# Altium PCB SEG_pressure gauge_don  V2.4.PcbDoc (part 3 of 4)
Units mil, origin at the board's own origin, x right, y up, seen from the top; angles counter-clockwise.
Board outline 2671.27 x 2667.03 mil, 2 copper layers (Top Layer, Bottom Layer); 42 components, 48 nets, 145 pads, 29 vias.
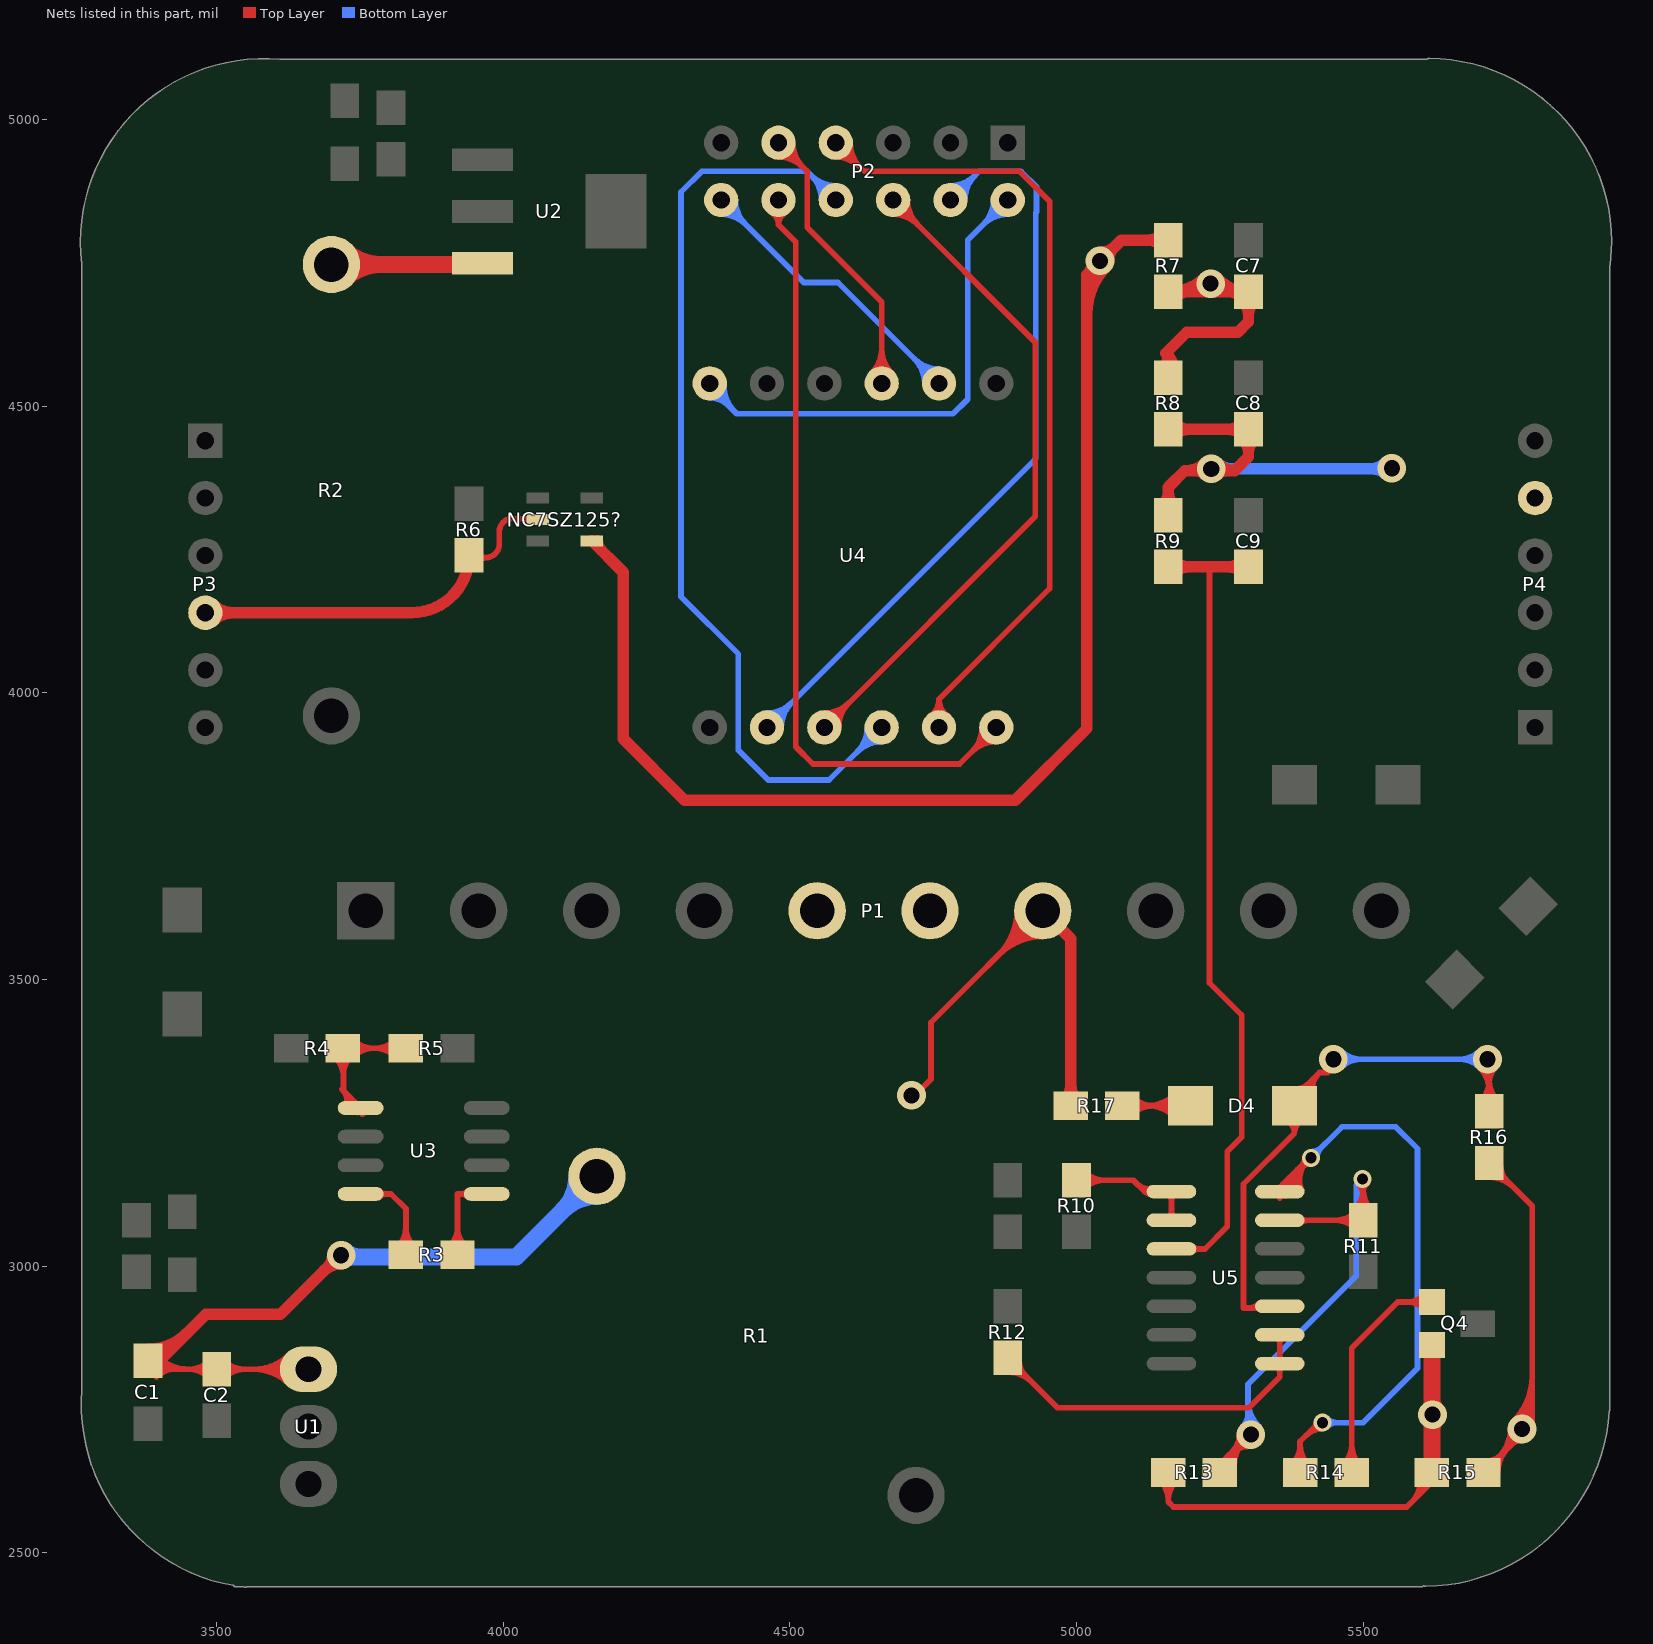
[diagram p3: the nets of this part, all layers, seen from the top]

## Via types
v1: diameter 50, hole 28, Top Layer to Bottom Layer, 21 vias
v2: diameter 31.5, hole 19.68, Top Layer to Bottom Layer, 4 vias
v3: diameter 50, hole 25, Top Layer to Bottom Layer, 2 vias
v4: diameter 31.5, hole 19.68, Top Layer to Bottom Layer, tented top, 2 vias

## Nets (pads, with @x,y where several pads share a name; then routed paths per layer and width w, separated by ;. In a path a pad name is that pad's centre, name@x,y a point inside that pad or via, vN(x,y) a via of type N, cw(c..) or ccw(c..) an arc to the next point about the centre after c; other vN are vias at no path point) (continued)
NetC1_1: C1.1 C2.1 R1.2 U1.1 | length 5400.2
  Top Layer w8: C1.1@3383.54,2833.54 ccw(c3416.21,2866.21) 3416.21,2820 ; C1.1@3383.54,2833.54 ccw(c3416.21,2866.21) 3416.21,2820 ; C1.1@3383.54,2833.54 ccw(c3416.21,2866.21) 3416.21,2820 ; C1.1@3389.19,2839.19 ccw(c3435.53,2885.53) 3435.53,2820 ; C1.1@3389.19,2839.19 ccw(c3435.53,2885.53) 3435.53,2820 ; C1.1@3389.19,2839.19 ccw(c3435.53,2885.53) 3435.53,2820 ; C1.1@3394.85,2815.15 cw(c3406.56,2803.44) 3406.56,2820 ; C1.1@3394.85,2815.15 cw(c3406.56,2803.44) 3406.56,2820 ; C1.1@3394.85,2815.15 cw(c3406.56,2803.44) 3406.56,2820 ; C1.1@3394.85,2844.85 ccw(c3454.84,2904.84) 3454.84,2820 ; C1.1@3394.85,2844.85 ccw(c3454.84,2904.84) 3454.84,2820 ; C1.1@3394.85,2844.85 ccw(c3454.84,2904.84) 3454.84,2820 ; 3411.38,2820 cw(c3411.38,2851.38) 3389.19,2829.19 ccw(c3411.38,2851.38) 3411.38,2820 ; 3411.38,2820 ccw(c3411.38,2788.62) 3389.19,2810.81 cw(c3411.38,2788.62) 3411.38,2820 ; 3430.7,2820 cw(c3430.7,2870.7) 3394.85,2834.85 ccw(c3430.7,2870.7) 3430.7,2820 ; 3430.7,2820 ccw(c3430.7,2769.3) 3394.85,2805.15 cw(c3430.7,2769.3) 3430.7,2820 ; 3449.3,2820 cw(c3449.3,2769.3) C2.1@3485.15,2805.15 ; 3449.3,2820 ccw(c3449.3,2870.7) C2.1@3485.15,2834.85 ; 3449.3,2820 cw(c3449.3,2769.3) C2.1@3485.15,2805.15 ; 3449.3,2820 ccw(c3449.3,2870.7) C2.1@3485.15,2834.85 ; 3449.3,2820 ccw(c3449.3,2870.7) C2.1@3485.15,2834.85 ; 3449.3,2820 cw(c3449.3,2769.3) C2.1@3485.15,2805.15 ; 3468.62,2820 cw(c3468.62,2788.62) C2.1@3490.81,2810.81 ; 3468.62,2820 ccw(c3468.62,2851.38) C2.1@3490.81,2829.19 ; 3468.62,2820 cw(c3468.62,2788.62) C2.1@3490.81,2810.81 ; 3468.62,2820 ccw(c3468.62,2851.38) C2.1@3490.81,2829.19 ; 3468.62,2820 ccw(c3468.62,2851.38) C2.1@3490.81,2829.19 ; 3468.62,2820 cw(c3468.62,2788.62) C2.1@3490.81,2810.81 ; C2.1@3509.19,2810.81 cw(c3531.38,2788.62) 3531.38,2820 ; C2.1@3509.19,2810.81 cw(c3531.38,2788.62) 3531.38,2820 ; C2.1@3509.19,2810.81 cw(c3531.38,2788.62) 3531.38,2820 ; C2.1@3509.19,2829.19 ccw(c3531.38,2851.38) 3531.38,2820 ; C2.1@3509.19,2829.19 ccw(c3531.38,2851.38) 3531.38,2820 ; C2.1@3509.19,2829.19 ccw(c3531.38,2851.38) 3531.38,2820 ; C2.1@3514.85,2805.15 cw(c3550.7,2769.3) 3550.7,2820 ; C2.1@3514.85,2805.15 cw(c3550.7,2769.3) 3550.7,2820 ; C2.1@3514.85,2805.15 cw(c3550.7,2769.3) 3550.7,2820 ; C2.1@3514.85,2834.85 ccw(c3550.7,2870.7) 3550.7,2820 ; C2.1@3514.85,2834.85 ccw(c3550.7,2870.7) 3550.7,2820 ; C2.1@3514.85,2834.85 ccw(c3550.7,2870.7) 3550.7,2820 ; 3563.09,2820 cw(c3563.09,2733.09) U1.1@3624.54,2794.54 ; 3563.09,2820 ccw(c3563.09,2906.91) U1.1@3624.54,2845.46 ; 3563.09,2820 cw(c3563.09,2733.09) U1.1@3624.54,2794.54 ; 3563.09,2820 ccw(c3563.09,2906.91) U1.1@3624.54,2845.46 ; 3563.09,2820 ccw(c3563.09,2906.91) U1.1@3624.54,2845.46 ; 3563.09,2820 cw(c3563.09,2733.09) U1.1@3624.54,2794.54 ; 3582.4,2820 cw(c3582.4,2752.4) U1.1@3630.2,2800.2 ; 3582.4,2820 ccw(c3582.4,2887.6) U1.1@3630.2,2839.8 ; 3582.4,2820 cw(c3582.4,2752.4) U1.1@3630.2,2800.2 ; 3582.4,2820 ccw(c3582.4,2887.6) U1.1@3630.2,2839.8 ; 3582.4,2820 ccw(c3582.4,2887.6) U1.1@3630.2,2839.8 ; 3582.4,2820 cw(c3582.4,2752.4) U1.1@3630.2,2800.2 ; 3601.72,2820 cw(c3601.72,2771.72) U1.1@3635.86,2805.86 ; 3601.72,2820 ccw(c3601.72,2868.28) U1.1@3635.86,2834.14 ; 3601.72,2820 cw(c3601.72,2771.72) U1.1@3635.86,2805.86 ; 3601.72,2820 ccw(c3601.72,2868.28) U1.1@3635.86,2834.14 ; 3601.72,2820 ccw(c3601.72,2868.28) U1.1@3635.86,2834.14 ; 3601.72,2820 cw(c3601.72,2771.72) U1.1@3635.86,2805.86
  Top Layer w10: C1.1@3380,2820 U1.1@3668,2820 ; C1.1@3380,2830 ccw(c3404.14,2854.14) 3404.14,2820 ccw(c3404.14,2805.86) C1.1@3394.14,2815.86 ; C1.1@3387.07,2837.07 ccw(c3428.28,2878.28) 3428.28,2820 ; C1.1@3394.14,2844.14 ccw(c3452.43,2902.43) 3452.43,2820 ; C2.1@3485.86,2805.86 ccw(c3451.72,2771.72) 3451.72,2820 ccw(c3451.72,2868.28) C2.1@3485.86,2834.14 ; C2.1@3514.14,2805.86 cw(c3548.28,2771.72) 3548.28,2820 cw(c3548.28,2868.28) C2.1@3514.14,2834.14 ; U1.1@3625.25,2795.25 ccw(c3565.5,2735.5) 3565.5,2820 ccw(c3565.5,2904.5) U1.1@3625.25,2844.75 ; U1.1@3632.32,2802.32 ccw(c3589.64,2759.64) 3589.64,2820 ccw(c3589.64,2880.36) U1.1@3632.32,2837.68
  Top Layer w20: C1.1@3400,2835 3481,2916 3611,2916 3705,3010 v1@3724,3010 ; C1.1@3380,2835 ccw(c3380,2883.28) 3414.14,2849.14 ; C1.1@3380,2835 ccw(c3380,2883.28) 3414.14,2849.14 ; C1.1@3380,2835 ccw(c3380,2883.28) 3414.14,2849.14 ; C1.1@3380,2835 ccw(c3380,2883.28) 3414.14,2849.14 ; C1.1@3380,2855 ccw(c3380,2951.57) 3448.28,2883.28 ; C1.1@3380,2855 ccw(c3380,2951.57) 3448.28,2883.28 ; C1.1@3380,2855 ccw(c3380,2951.57) 3448.28,2883.28 ; C1.1@3380,2855 ccw(c3380,2951.57) 3448.28,2883.28 ; 3686.27,2991.27 cw(c3717,2960.54) v1@3717,3004 ; 3686.27,2991.27 cw(c3717,2960.54) v1@3717,3004 ; 3686.27,2991.27 cw(c3717,2960.54) v1@3717,3004 ; 3686.27,2991.27 cw(c3717,2960.54) v1@3717,3004 ; 3693.51,2998.51 ccw(c3673.03,3019) v1@3702,3019 ; 3693.51,2998.51 ccw(c3673.03,3019) v1@3702,3019 ; 3693.51,2998.51 ccw(c3673.03,3019) v1@3702,3019 ; 3693.51,2998.51 ccw(c3673.03,3019) v1@3702,3019
  Bottom Layer w30: v1@3713,3016 3953,3016 4022.45,3016 R1.2@4164.22,3157.78 ; v1@3724.07,3026.07 ccw(c3748.38,3050.38) 3748.38,3016 ; v1@3724.07,3026.07 ccw(c3748.38,3050.38) 3748.38,3016 ; v1@3724.07,3026.07 ccw(c3748.38,3050.38) 3748.38,3016 ; v1@3724.07,3026.07 ccw(c3748.38,3050.38) 3748.38,3016 ; 4103.47,3097.03 cw(c4163.22,3037.28) R1.2@4163.22,3121.78 ; 4103.47,3097.03 ccw(c4043.73,3156.78) R1.2@4128.22,3156.78 ; 4103.47,3097.03 cw(c4163.22,3037.28) R1.2@4163.22,3121.78 ; 4103.47,3097.03 ccw(c4043.73,3156.78) R1.2@4128.22,3156.78 ; 4103.47,3097.03 cw(c4163.22,3037.28) R1.2@4163.22,3121.78 ; 4103.47,3097.03 ccw(c4043.73,3156.78) R1.2@4128.22,3156.78
  other v1: 3717,3019
NetC7_1: C7.1 R7.1 R8.2 | length 822.4
  Top Layer w20: R8.2@5149.89,4566.08 ccw(c5128.97,4589) 5160,4589 ; 5158.47,4590.53 cw(c5135.44,4567.51) R8.2@5164.46,4552.73 ; R8.2@5160,4550 5160,4589 ; R7.1@5160,4700 C7.1@5300,4700 ; R7.1@5163.99,4700 ccw(c5163.99,4784.01) v1@5223.39,4724.61 ; R8.2@5170.11,4566.08 cw(c5191.03,4589) 5160,4589 ; R7.1@5170.61,4689.39 cw(c5196.21,4663.79) 5196.21,4700 cw(c5196.21,4736.21) R7.1@5170.61,4710.61 ; 5212.27,4700 ccw(c5212.27,4735.73) v1@5237.54,4710.46 ; v1@5245.05,4724.14 ccw(c5300,4774.6) C7.1@5300,4700 ; C7.1@5289.39,4684.39 cw(c5263.79,4658.79) 5300,4658.79 cw(c5336.21,4658.79) C7.1@5310.61,4684.39 ; C7.1@5289.39,4689.39 ccw(c5263.79,4663.79) 5263.79,4700 ccw(c5263.79,4736.21) C7.1@5289.39,4710.61 ; 5160,4589 5156,4593 5192,4629 5281,4629 5300,4648 C7.1@5300,4700
  other v1: 5234,4714
NetC8_1: C8.1 R8.1 R9.2 | length 1164
  Top Layer w20: R9.2@5149.39,4325.61 ccw(c5123.79,4351.21) 5160,4351.21 ccw(c5196.21,4351.21) R9.2@5170.61,4325.61 ; R9.2@5160,4310 5160,4359 5189,4388 5276,4388 ; R8.1@5160,4460 C8.1@5300,4460 5300,4412 5276,4388 ; R8.1@5170.61,4449.39 cw(c5196.21,4423.79) 5196.21,4460 cw(c5196.21,4496.21) R8.1@5170.61,4470.61 ; 5191.54,4388 ccw(c5191.54,4434.46) v1@5224.39,4401.61 ; 5206.03,4388 cw(c5206.03,4362.03) v1@5224.39,4380.39 ; v1@5245.61,4380.39 cw(c5263.97,4362.03) 5263.97,4388 ; v1@5246.04,4401.15 ccw(c5276,4428.69) 5276,4388 ; C8.1@5289.39,4444.39 cw(c5263.79,4418.79) 5300,4418.79 cw(c5336.21,4418.79) C8.1@5310.61,4444.39 ; C8.1@5289.39,4449.39 ccw(c5263.79,4423.79) 5263.79,4460 ccw(c5263.79,4496.21) C8.1@5289.39,4470.61
  Bottom Layer w20: v1(5235,4391) 5545,4391 v1@5547,4393 ; v1@5245.61,4380.39 cw(c5271.21,4354.79) 5271.21,4391 cw(c5271.21,4427.21) v1@5245.61,4401.61 ; 5511.37,4391 ccw(c5511.37,4430.63) v1@5539.39,4402.61 ; 5516.2,4391 cw(c5516.2,4358.2) v1@5539.39,4381.39
  other v1: 5550,4392
NetC9_1: C9.1 R9.1 U5.3 | length 1579.4
  Top Layer w10: U5.3@5165.51,3030 5224,3030 5263,3069 5263,3200 5288,3225 5288,3438 5232,3494 5232,4216 5228,4220 ; U5.3@5201.82,3025.18 cw(c5213.45,3013.56) 5213.45,3030 cw(c5213.45,3046.44) U5.3@5201.82,3034.82
  Top Layer w20: R9.1@5160,4220 5228,4220 C9.1@5300,4220 ; R9.1@5170.61,4209.39 cw(c5196.21,4183.79) 5196.21,4220 cw(c5196.21,4256.21) R9.1@5170.61,4230.61 ; C9.1@5289.39,4209.39 ccw(c5263.79,4183.79) 5263.79,4220 ccw(c5263.79,4256.21) C9.1@5289.39,4230.61
NetD4_1: D4.1 R16.2 U5.10 | length 1444.8
  Top Layer w10: 5299.74,2927.18 ccw(c5299.74,2953.25) U5.10@5318.18,2934.82 ; U5.10@5354.49,2930 5351.67,2927.18 5291.18,2927.18 5291.18,3143.18 5380,3232 ; D4.1@5366.66,3253.75 cw(c5355.6,3232) 5380,3232 ; D4.1@5384.92,3309.45 ccw(c5384.92,3334.86) 5402.89,3316.89 ; D4.1@5393.34,3253.75 ccw(c5404.4,3232) 5380,3232 ; D4.1@5393.86,3283.06 cw(c5423.45,3293.21) 5401.33,3315.33 ; D4.1@5403.32,3286.31 cw(c5440.33,3299) 5412.66,3326.66 ; D4.1@5412.78,3289.55 cw(c5457.21,3304.78) 5424,3338 ; v1@5438,3342 5438,3338 5424,3338 ; v1@5702.86,3346.86 cw(c5661.47,3305.47) 5720,3305.47 ; R16.2@5705.86,3289.14 ccw(c5671.72,3323.28) 5720,3323.28 ccw(c5768.28,3323.28) R16.2@5734.14,3289.14 ; v1@5709.93,3353.93 cw(c5685.62,3329.62) 5720,3329.62 ; R16.2@5720,3270 v1@5720,3342 ; 5720,3319.96 cw(c5758.04,3319.96) v1@5731.14,3346.86 ; 5380,3232 5380,3294 5424,3338
  Bottom Layer w10: v1(5448,3361) v1(5717,3361) ; v1@5462.14,3346.86 cw(c5496.28,3312.72) 5496.28,3361 cw(c5496.28,3409.28) v1@5462.14,3375.14 ; v1@5702.86,3346.86 ccw(c5668.72,3312.72) 5668.72,3361 ccw(c5668.72,3409.28) v1@5702.86,3375.14
NetD4_2: D4.2 R17.1 | length 380.2
  Top Layer w10: R17.1@5080,3280 D4.2@5198.9,3280 ; R17.1@5099.14,3265.86 cw(c5133.28,3231.72) 5133.28,3280 cw(c5133.28,3328.28) R17.1@5099.14,3294.14 ; D4.2@5173.15,3259.18 ccw(c5122.88,3208.9) 5122.88,3280 ccw(c5122.88,3351.1) D4.2@5173.15,3300.82 ; D4.2@5180.22,3266.25 ccw(c5147.02,3233.05) 5147.02,3280 ccw(c5147.02,3326.95) D4.2@5180.22,3293.75
NetNC7SZ125?_4: NC7SZ125?.4 R7.2 | length 2506.2
  Top Layer w20: NC7SZ125?.4@4154.49,4265.2 4209,4210.69 4209,3920 4316,3813 4893,3813 5018,3938 5018,4730 5078,4790 R7.2@5160,4790 ; NC7SZ125?.4@4164.17,4265.2 ccw(c4187.55,4265.2) 4171.02,4248.66 ; 5018,4662.26 cw(c5132.74,4662.26) v1@5051.61,4743.39 ; 5018,4710.54 cw(c5084.46,4710.54) v1@5037.46,4757.54 ; v1@5041,4769 ccw(c5041,4807.63) 5068.31,4780.31 ; v1@5056,4754 cw(c5089.8,4754) 5065.9,4777.9 ; R7.2@5149.39,4779.39 ccw(c5123.79,4753.79) 5123.79,4790 ccw(c5123.79,4826.21) R7.2@5149.39,4800.61
  other v1: 5041,4754
NetQ4_1: Q4.1 R14.1 | length 534.4
  Top Layer w10: R14.1@5465.86,2654.14 ccw(c5431.72,2688.28) 5480,2688.28 ccw(c5528.28,2688.28) R14.1@5494.14,2654.14 ; R14.1@5480,2640 5480,2857 5560.5,2937.5 Q4.1@5620,2937.5 ; Q4.1@5607.27,2924.77 ccw(c5576.54,2894.04) 5576.54,2937.5 ccw(c5576.54,2980.96) Q4.1@5607.27,2950.23
NetQ4_2: Q4.2 R13.1 R15.1 | length 1004
  Top Layer w10: R13.1@5145.86,2625.86 cw(c5111.72,2591.72) 5160,2591.72 cw(c5208.28,2591.72) R13.1@5174.14,2625.86 ; R13.1@5160,2640 5160,2589 5169,2580 5576,2580 5620,2624 R15.1@5620,2640 ; 5586.5,2590.5 ccw(c5557.46,2619.54) R15.1@5596.16,2633.3 ; 5597.69,2601.69 ccw(c5573.97,2625.41) R15.1@5605.58,2636.65 ; 5608.88,2612.88 ccw(c5590.48,2631.28) R15.1@5615,2640
  Top Layer w30: R15.1@5620,2640 Q4.2@5620,2862.5 ; 5620,2714.44 cw(c5647.56,2714.44) v1@5628.07,2733.93 ; 5620,2767.56 ccw(c5647.56,2767.56) v1@5628.07,2748.07
  other v1: 5621,2741
NetR2_2: R2.2 U2.3 | length 1061.1
  Top Layer w10: U2.3@3961.81,4747.4 U2.3@3963.86,4749.45
  Top Layer w30: R2.2@3700,4747.4 U2.3@3961.81,4747.4 ; R2.2@3724.75,4722.65 cw(c3784.5,4662.9) 3784.5,4747.4 ; R2.2@3724.75,4722.65 cw(c3784.5,4662.9) 3784.5,4747.4 ; R2.2@3724.75,4722.65 cw(c3784.5,4662.9) 3784.5,4747.4 ; R2.2@3724.75,4722.65 cw(c3784.5,4662.9) 3784.5,4747.4 ; R2.2@3724.75,4722.65 cw(c3784.5,4662.9) 3784.5,4747.4 ; R2.2@3724.75,4722.65 cw(c3784.5,4662.9) 3784.5,4747.4 ; R2.2@3724.75,4772.15 ccw(c3784.5,4831.9) 3784.5,4747.4 ; R2.2@3724.75,4772.15 ccw(c3784.5,4831.9) 3784.5,4747.4 ; R2.2@3724.75,4772.15 ccw(c3784.5,4831.9) 3784.5,4747.4 ; R2.2@3724.75,4772.15 ccw(c3784.5,4831.9) 3784.5,4747.4 ; R2.2@3724.75,4772.15 ccw(c3784.5,4831.9) 3784.5,4747.4 ; R2.2@3724.75,4772.15 ccw(c3784.5,4831.9) 3784.5,4747.4
NetR3_1: R3.1 U3.1 | length 1055.8
  Top Layer w8: R3.1@3905.15,3034.85 ccw(c3869.3,3070.7) 3920,3070.7 ; R3.1@3905.15,3034.85 ccw(c3869.3,3070.7) 3920,3070.7 ; R3.1@3905.15,3034.85 ccw(c3869.3,3070.7) 3920,3070.7 ; R3.1@3905.15,3034.85 ccw(c3869.3,3070.7) 3920,3070.7 ; R3.1@3905.15,3034.85 ccw(c3869.3,3070.7) 3920,3070.7 ; R3.1@3910.81,3029.19 ccw(c3888.62,3051.38) 3920,3051.38 ; R3.1@3910.81,3029.19 ccw(c3888.62,3051.38) 3920,3051.38 ; R3.1@3910.81,3029.19 ccw(c3888.62,3051.38) 3920,3051.38 ; R3.1@3910.81,3029.19 ccw(c3888.62,3051.38) 3920,3051.38 ; R3.1@3910.81,3029.19 ccw(c3888.62,3051.38) 3920,3051.38 ; 3920,3051.38 ccw(c3951.38,3051.38) R3.1@3929.19,3029.19 ; 3920,3051.38 ccw(c3951.38,3051.38) R3.1@3929.19,3029.19 ; 3920,3051.38 ccw(c3951.38,3051.38) R3.1@3929.19,3029.19 ; 3920,3051.38 ccw(c3951.38,3051.38) R3.1@3929.19,3029.19 ; 3920,3051.38 ccw(c3951.38,3051.38) R3.1@3929.19,3029.19 ; 3920,3070.7 ccw(c3970.7,3070.7) R3.1@3934.85,3034.85 ; 3920,3070.7 ccw(c3970.7,3070.7) R3.1@3934.85,3034.85 ; 3920,3070.7 ccw(c3970.7,3070.7) R3.1@3934.85,3034.85 ; 3920,3070.7 ccw(c3970.7,3070.7) R3.1@3934.85,3034.85 ; 3920,3070.7 ccw(c3970.7,3070.7) R3.1@3934.85,3034.85 ; 3923.69,3126 cw(c3923.69,3106.69) U3.1@3937.34,3120.34 ; 3923.69,3126 ccw(c3923.69,3145.31) U3.1@3937.34,3131.66 ; 3923.69,3126 cw(c3923.69,3106.69) U3.1@3937.34,3120.34 ; 3923.69,3126 ccw(c3923.69,3145.31) U3.1@3937.34,3131.66 ; 3923.69,3126 cw(c3923.69,3106.69) U3.1@3937.34,3120.34 ; 3923.69,3126 ccw(c3923.69,3145.31) U3.1@3937.34,3131.66 ; 3923.69,3126 ccw(c3923.69,3145.31) U3.1@3937.34,3131.66 ; 3923.69,3126 cw(c3923.69,3106.69) U3.1@3937.34,3120.34 ; 3923.69,3126 ccw(c3923.69,3145.31) U3.1@3937.34,3131.66 ; 3923.69,3126 cw(c3923.69,3106.69) U3.1@3937.34,3120.34
  Top Layer w10: R3.1@3905.86,3034.14 ccw(c3871.72,3068.28) 3920,3068.28 ccw(c3968.28,3068.28) R3.1@3934.14,3034.14 ; R3.1@3920,3020 3920,3126 U3.1@3971,3126 ; U3.1@3938.05,3121.05 ccw(c3926.1,3109.1) 3926.1,3126 ccw(c3926.1,3142.9) U3.1@3938.05,3130.95
NetR3_2: R3.2 U3.8 | length 1068.5
  Top Layer w8: U3.8@3784.66,3120.34 cw(c3798.31,3106.69) 3798.31,3126 ; U3.8@3784.66,3120.34 cw(c3798.31,3106.69) 3798.31,3126 ; U3.8@3784.66,3120.34 cw(c3798.31,3106.69) 3798.31,3126 ; U3.8@3784.66,3120.34 cw(c3798.31,3106.69) 3798.31,3126 ; U3.8@3784.66,3120.34 cw(c3798.31,3106.69) 3798.31,3126 ; U3.8@3784.66,3131.66 ccw(c3798.31,3145.31) 3798.31,3126 ; U3.8@3784.66,3131.66 ccw(c3798.31,3145.31) 3798.31,3126 ; U3.8@3784.66,3131.66 ccw(c3798.31,3145.31) 3798.31,3126 ; U3.8@3784.66,3131.66 ccw(c3798.31,3145.31) 3798.31,3126 ; U3.8@3784.66,3131.66 ccw(c3798.31,3145.31) 3798.31,3126 ; R3.2@3815.15,3034.85 ccw(c3779.3,3070.7) 3830,3070.7 ; R3.2@3815.15,3034.85 ccw(c3779.3,3070.7) 3830,3070.7 ; R3.2@3815.15,3034.85 ccw(c3779.3,3070.7) 3830,3070.7 ; R3.2@3815.15,3034.85 ccw(c3779.3,3070.7) 3830,3070.7 ; R3.2@3815.15,3034.85 ccw(c3779.3,3070.7) 3830,3070.7 ; R3.2@3820.81,3029.19 ccw(c3798.62,3051.38) 3830,3051.38 ; R3.2@3820.81,3029.19 ccw(c3798.62,3051.38) 3830,3051.38 ; R3.2@3820.81,3029.19 ccw(c3798.62,3051.38) 3830,3051.38 ; R3.2@3820.81,3029.19 ccw(c3798.62,3051.38) 3830,3051.38 ; R3.2@3820.81,3029.19 ccw(c3798.62,3051.38) 3830,3051.38 ; 3830,3051.38 ccw(c3861.38,3051.38) R3.2@3839.19,3029.19 ; 3830,3051.38 ccw(c3861.38,3051.38) R3.2@3839.19,3029.19 ; 3830,3051.38 ccw(c3861.38,3051.38) R3.2@3839.19,3029.19 ; 3830,3051.38 ccw(c3861.38,3051.38) R3.2@3839.19,3029.19 ; 3830,3051.38 ccw(c3861.38,3051.38) R3.2@3839.19,3029.19 ; 3830,3070.7 ccw(c3880.7,3070.7) R3.2@3844.85,3034.85 ; 3830,3070.7 ccw(c3880.7,3070.7) R3.2@3844.85,3034.85 ; 3830,3070.7 ccw(c3880.7,3070.7) R3.2@3844.85,3034.85 ; 3830,3070.7 ccw(c3880.7,3070.7) R3.2@3844.85,3034.85 ; 3830,3070.7 ccw(c3880.7,3070.7) R3.2@3844.85,3034.85
  Top Layer w10: U3.8@3751,3126 3804,3126 3830,3100 R3.2@3830,3020 ; U3.8@3783.95,3121.05 cw(c3795.9,3109.1) 3795.9,3126 cw(c3795.9,3142.9) U3.8@3783.95,3130.95 ; R3.2@3815.86,3034.14 ccw(c3781.72,3068.28) 3830,3068.28 ccw(c3878.28,3068.28) R3.2@3844.14,3034.14
NetR4_1: R4.1 R5.2 U3.5 | length 2483.6
  Top Layer w8: R4.1@3705.15,3365.15 cw(c3666.89,3326.89) 3721,3326.89 ; R4.1@3705.15,3365.15 cw(c3666.89,3326.89) 3721,3326.89 ; R4.1@3705.15,3365.15 cw(c3666.89,3326.89) 3721,3326.89 ; R4.1@3705.15,3365.15 cw(c3666.89,3326.89) 3721,3326.89 ; R4.1@3710.81,3370.81 cw(c3686.2,3346.2) 3721,3346.2 ; R4.1@3710.81,3370.81 cw(c3686.2,3346.2) 3721,3346.2 ; R4.1@3710.81,3370.81 cw(c3686.2,3346.2) 3721,3346.2 ; R4.1@3710.81,3370.81 cw(c3686.2,3346.2) 3721,3346.2 ; 3721,3331.72 cw(c3768.28,3331.72) R4.1@3734.85,3365.15 ; 3721,3331.72 cw(c3768.28,3331.72) R4.1@3734.85,3365.15 ; 3721,3331.72 cw(c3768.28,3331.72) R4.1@3734.85,3365.15 ; 3721,3331.72 cw(c3768.28,3331.72) R4.1@3734.85,3365.15 ; 3721,3351.03 cw(c3748.97,3351.03) R4.1@3729.19,3370.81 ; 3721,3351.03 cw(c3748.97,3351.03) R4.1@3729.19,3370.81 ; 3721,3351.03 cw(c3748.97,3351.03) R4.1@3729.19,3370.81 ; 3721,3351.03 cw(c3748.97,3351.03) R4.1@3729.19,3370.81 ; 3724.27,3302.73 cw(c3704.72,3283.19) U3.5@3730.44,3273.07 ; 3724.27,3302.73 cw(c3704.72,3283.19) U3.5@3730.44,3273.07 ; 3724.27,3302.73 cw(c3704.72,3283.19) U3.5@3730.44,3273.07 ; 3724.27,3302.73 cw(c3704.72,3283.19) U3.5@3730.44,3273.07 ; 3732.9,3294.1 cw(c3717.12,3278.31) U3.5@3737.89,3270.14 ; 3732.9,3294.1 cw(c3717.12,3278.31) U3.5@3737.89,3270.14 ; 3732.9,3294.1 cw(c3717.12,3278.31) U3.5@3737.89,3270.14 ; 3732.9,3294.1 cw(c3717.12,3278.31) U3.5@3737.89,3270.14 ; R4.1@3734.19,3370.81 cw(c3756.38,3348.62) 3756.38,3380 ; R4.1@3734.19,3370.81 cw(c3756.38,3348.62) 3756.38,3380 ; R4.1@3734.19,3370.81 cw(c3756.38,3348.62) 3756.38,3380 ; R4.1@3734.19,3370.81 cw(c3756.38,3348.62) 3756.38,3380 ; R4.1@3734.19,3389.19 ccw(c3756.38,3411.38) 3756.38,3380 ; R4.1@3734.19,3389.19 ccw(c3756.38,3411.38) 3756.38,3380 ; R4.1@3734.19,3389.19 ccw(c3756.38,3411.38) 3756.38,3380 ; R4.1@3734.19,3389.19 ccw(c3756.38,3411.38) 3756.38,3380 ; R4.1@3739.85,3365.15 cw(c3775.7,3329.3) 3775.7,3380 ; R4.1@3739.85,3365.15 cw(c3775.7,3329.3) 3775.7,3380 ; R4.1@3739.85,3365.15 cw(c3775.7,3329.3) 3775.7,3380 ; R4.1@3739.85,3365.15 cw(c3775.7,3329.3) 3775.7,3380 ; R4.1@3739.85,3394.85 ccw(c3775.7,3430.7) 3775.7,3380 ; R4.1@3739.85,3394.85 ccw(c3775.7,3430.7) 3775.7,3380 ; R4.1@3739.85,3394.85 ccw(c3775.7,3430.7) 3775.7,3380 ; R4.1@3739.85,3394.85 ccw(c3775.7,3430.7) 3775.7,3380 ; U3.5@3741.53,3285.47 cw(c3729.51,3273.44) U3.5@3745.33,3267.22 ; U3.5@3741.53,3285.47 cw(c3729.51,3273.44) U3.5@3745.33,3267.22 ; U3.5@3741.53,3285.47 cw(c3729.51,3273.44) U3.5@3745.33,3267.22 ; U3.5@3741.53,3285.47 cw(c3729.51,3273.44) U3.5@3745.33,3267.22 ; U3.5@3750.17,3276.83 cw(c3741.9,3268.57) U3.5@3752.78,3264.29 ; U3.5@3750.17,3276.83 cw(c3741.9,3268.57) U3.5@3752.78,3264.29 ; U3.5@3750.17,3276.83 cw(c3741.9,3268.57) U3.5@3752.78,3264.29 ; U3.5@3750.17,3276.83 cw(c3741.9,3268.57) U3.5@3752.78,3264.29 ; 3774.3,3380 cw(c3774.3,3329.3) R5.2@3810.15,3365.15 ; 3774.3,3380 ccw(c3774.3,3430.7) R5.2@3810.15,3394.85 ; 3774.3,3380 cw(c3774.3,3329.3) R5.2@3810.15,3365.15 ; 3774.3,3380 ccw(c3774.3,3430.7) R5.2@3810.15,3394.85 ; 3774.3,3380 cw(c3774.3,3329.3) R5.2@3810.15,3365.15 ; 3774.3,3380 ccw(c3774.3,3430.7) R5.2@3810.15,3394.85 ; 3774.3,3380 ccw(c3774.3,3430.7) R5.2@3810.15,3394.85 ; 3774.3,3380 cw(c3774.3,3329.3) R5.2@3810.15,3365.15 ; 3793.62,3380 cw(c3793.62,3348.62) R5.2@3815.81,3370.81 ; 3793.62,3380 ccw(c3793.62,3411.38) R5.2@3815.81,3389.19 ; 3793.62,3380 cw(c3793.62,3348.62) R5.2@3815.81,3370.81 ; 3793.62,3380 ccw(c3793.62,3411.38) R5.2@3815.81,3389.19 ; 3793.62,3380 cw(c3793.62,3348.62) R5.2@3815.81,3370.81 ; 3793.62,3380 ccw(c3793.62,3411.38) R5.2@3815.81,3389.19 ; 3793.62,3380 ccw(c3793.62,3411.38) R5.2@3815.81,3389.19 ; 3793.62,3380 cw(c3793.62,3348.62) R5.2@3815.81,3370.81
  Top Layer w10: R4.1@3705.86,3365.86 cw(c3669.3,3329.3) 3721,3329.3 ; R4.1@3712.93,3372.93 cw(c3693.44,3353.44) 3721,3353.44 ; 3718.2,3308.8 cw(c3695.25,3285.86) U3.5@3725.83,3275 ; 3721,3334.13 cw(c3765.87,3334.13) R4.1@3734.14,3365.86 ; 3729.39,3297.61 cw(c3711.77,3279.99) U3.5@3735.25,3271.65 ; R4.1@3739.14,3365.86 cw(c3773.28,3331.72) 3773.28,3380 cw(c3773.28,3428.28) R4.1@3739.14,3394.14 ; U3.5@3740.58,3286.42 cw(c3728.29,3274.12) U3.5@3744.67,3268.3 ; U3.5@3751,3276 3721,3306 3721,3379 R4.1@3720,3380 R5.2@3830,3380 ; U3.5@3751.78,3275.22 cw(c3744.81,3268.25) U3.5@3754.1,3264.95 ; R5.2@3810.86,3365.86 ccw(c3776.72,3331.72) 3776.72,3380 ccw(c3776.72,3428.28) R5.2@3810.86,3394.14